# Altium PCB GameBoard_V1I1_Phase1.PcbDoc (part 8 of 18) (continued)
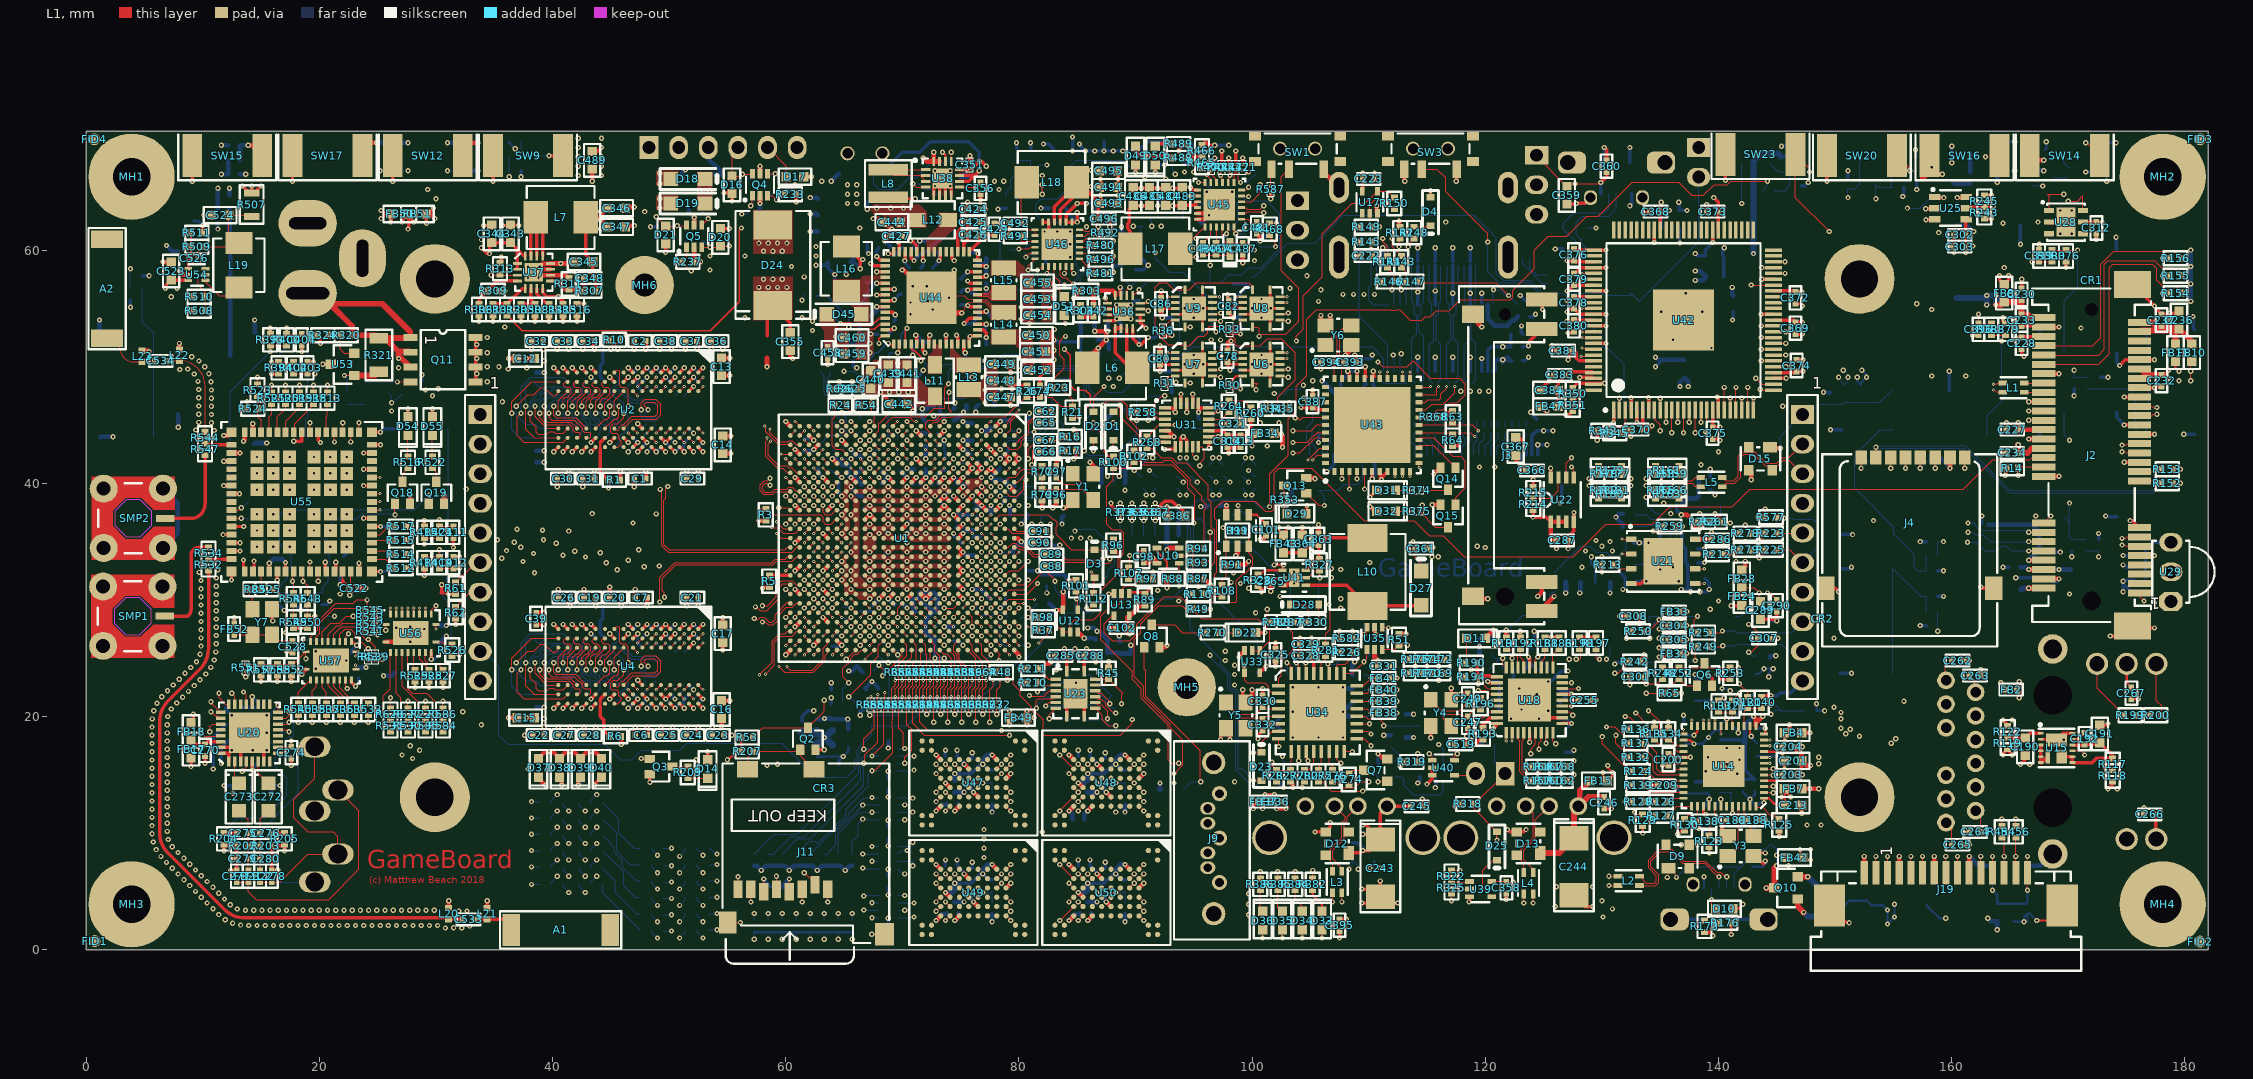
[diagram p0: L1 view]
## Nets (pads, with @x,y where several pads share a name; then routed paths per layer and width w, separated by ;. In a path a pad name is that pad's centre, name@x,y a point inside that pad or via, vN(x,y) a via of type N, cw(c..) or ccw(c..) an arc to the next point about the centre after c; other vN are vias at no path point) (continued)
BUT_L1: R404.1 R408.2 SW14.2 | length 3.8
  L1 w0.1: v1(171.5,69.2) 171.6,69.2 SW14.2@172.7,68.1
  L12 w0.1: v1(171.5,69.2) R404.1@172.3,69.2 R408.2@172.3,67.9
BUT_L2: R405.1 R411.2 SW16.2 | length 3.4
  L1 w0.1: v1(162.9,68) 164,68 SW16.2@164.1,68.1
  L12 w0.1: v1(162.9,68) R411.2@163.9,68 ; R411.2@163.9,68.1 R405.1@163.9,69.3
BUT_LD: R377.1 R381.2 SW5.3 SW5.4 | length 13
  L10 w0.1: v1(170.1,38.3) v1(170.1,43.7)
  L12 w0.1: SW5.3@169.65,37.125 SW5.3@170.1,36.675 ; SW5.4@169.65,46.075 169.65,44.15 v1(170.1,43.7) ; v1(170.1,38.3) SW5.3@170.1,36.675 ; R381.2@171.5,35.2 R377.1@170.3,35.2 170.1,35.4 SW5.3@170.1,36.675
BUT_LL: R378.1 R383.2 SW6.3 SW6.4 | length 17.7
  L12 w0.1: R383.2@171.6,48.1 175.2,48.1 175.8,47.5 175.8,44.6 176.35,44.05 SW6.3@176.35,44.225 176.9,44.775 176.9,52.45 176.35,53 SW6.4@176.35,53.175
BUT_LR: R379.1 R388.2 SW7.3 SW7.4 | length 12.5
  L1 w0.1: R388.2@163.4,52.7 R379.1@164.6,52.7 164.3,52.4 v1(164.3,52.2)
  L12 w0.1: SW7.3@163.05,44.125 163.05,45.85 164.6,47.4 164.3,47.7 v1(164.3,52.2) 164.3,52.5 163.725,53.075 SW7.4@163.05,53.075
BUT_LU: R376.1 R380.2 SW4.3 SW4.4 | length 12.7
  L1 w0.1: R380.2@168.6,60 R376.1@169.8,60 v1(170.8,60)
  L12 w0.1: SW4.3@169.65,51.125 169.65,55.65 170.8,56.8 v1(170.8,60) 169.725,60 SW4.4@169.65,60.075
BUT_R1: R406.1 R409.2 SW15.2 | length 3.6
  L1 w0.4: v1(13.9,69) 14.2,69 SW15.2@15.1,68.1
  L12 w0.4: R409.2@13.2,67.7 R406.1@13.2,69 v1(13.9,69)
BUT_R2: R407.1 R412.2 SW17.2 | length 4.3
  L1 w0.4: SW17.2@23.7,68.1 23.7,68.9 24,69.2 v1(24.9,69.2)
  L12 w0.4: v1(24.9,69.2) R407.1@25.8,69.2 R412.2@25.8,67.9
BUT_RD: R393.1 R400.2 SW10.3 SW10.4 | length 17.7
  L1 w0.1: v1(15.8,51.3) R393.1@15.8,51.8 R400.2@17.2,51.8
  L12 w0.1: SW10.4@12.35,36.95 SW10.3@12.35,45.9 12.35,47.85 v1(15.8,51.3)
BUT_RL: R394.1 R402.2 SW11.3 SW11.4 | length 15
  L1 w0.1: v1@16,50.4 R402.2@17.8,50.4
  L12 w0.1: v1(15.9,50.4) 18.4,52.9 SW11.3@19,52.9 19,45.705 18.825,45.53 18.825,44.125 SW11.4@19,43.95
BUT_RR: R395.1 R403.2 SW13.3 SW13.4 | length 13.3
  L12 w0.1: R403.2@4.8,56.8 R395.1@4.8,55.7 4.8,53.8 5.8,52.9 SW13.4@5.8,43.95
BUT_RU: R392.1 R398.2 SW8.3 SW8.4 | length 12.6
  L12 w0.4: R398.2@12.3,63.5 12.3,59.95 SW8.3@12.35,59.9 SW8.4@12.35,50.95
BUT_SEL_L1: R422.1 R424.2 SW21.3 SW21.4 | length 14.1
  L12 w0.1: SW21.4@154.95,23.725 SW21.3@154.95,32.675 157.325,30.3 R422.1@157.8,30.3 R424.2@157.8,29
BUT_SEL_L2: R423.1 R428.2 SW22.3 SW22.4 | length 18.4
  L12 w0.1: SW22.3@155.05,44.575 153.875,44.575 151.7,42.4 151.7,39.6 155.05,36.25 SW22.4@155.05,35.625 156.8,33.875 156.8,32.8 157.1,32.5 R423.1@157.8,32.5 R428.2@157.8,33.8
BUT_SEL_R1: R414.1 R419.2 SW18.3 SW18.4 | length 13.3
  L1 w0.1: R414.1@29,33.7 R419.2@30.3,33.7 v1(30.3,34.3)
  L12 w0.1: v1(30.3,34.3) 30.95,33.65 SW18.3@30.95,32.675 30.95,31.092 30.575,30.717 30.575,30.283 31.3,29.558 31.3,24.075 SW18.4@30.95,23.725
BUT_SEL_R2: R415.1 R421.2 SW19.3 SW19.4 | length 13.3
  L1 w0.1: v1(29,34.8) R415.1@29,35.3 R421.2@30.3,35.3
  L12 w0.1: v1(29,34.8) 29.925,35.725 SW19.4@30.95,35.725 31.075,35.725 31.075,44.55 SW19.3@30.95,44.675
CAN_N: C309.1 J12.8 R246.1 R251.2 U26.6 | length 8.5
  L1 w0.1: R251.2@139.2,27.2 140.2,27.2 v1(140.335,27.335)
  L12 w0.1: v1(140.335,27.335) U26.6@141.4,27.335 141.535,27.2 R246.1@143.3,27.2 C309.1@144.4,27.2 146.28,27.2 J12.8@147.2,28.12
CAN_P: C306.1 J12.9 R241.2 R249.2 U26.7 | length 8.3
  L1 w0.1: R249.2@139.2,26 140.3,26 v1(140.365,26.065)
  L12 w0.1: v1(140.365,26.065) U26.7@141.4,26.065 141.535,26.2 R241.2@143.3,26.2 C306.1@144.4,26.2 145.4,26.2 146.02,25.58 J12.9@147.2,25.58
CFF: C192.2 U15.11 | length 1.3
  L1 w0.2: U15.11@170.36,18.05 170.85,18.05 C192.2@171.4,18.6
CHARGE_C\E\: R474.1 R480.2 TP50.1 U1.R22 U45.9 | length 96.1
  L1 w0.093: U1.R22@68.4,28.1 v2(68.8,27.7) ; R480.2@87.5,60.4 87.5,60.3 88,60.8 v1(88.1,60.8) ; R474.1@97.4,66.835 97.3,66.735 v1(97.3,66.4) 97.45,66.25 U45.9@97.45,65.8
  L3 w0.093: v1(53.5,58.3) 59.3,58.3 59.6,58.6 v1(60.5,58.6) ; v1(66.35,61.9) 68,61.9 68.5,62.4 72.795,62.4 74.595,60.6 81.3,60.6 82,59.9 82.971,60.871 84.554,60.871 84.771,60.654 84.771,60.289 85.287,59.773 87.073,59.773 v1(88.1,60.8)
  L10 w0.093: v1(53.5,58.3) 56.45,55.35 57.046,55.35 59.061,53.336 59.061,53.128 63.309,48.879 63.309,48.719 63.211,48.62 63.211,44.233 63.35,44.094 63.35,43.532 63.657,43.226 63.657,42.988 64.543,42.101 64.543,41.811 65.097,41.258 66.442,41.258 66.965,40.735 67.434,40.735 67.57,40.872 68.357,40.872 68.429,40.8 68.429,35.546 68.646,35.328 68.772,35.328 69.5,34.6 69.5,31.7 70,31.2 70,29.975 69.625,29.6 69.6,29.6 69.6,29.025 68.8,28.225 v2(68.8,27.7) ; v1(60.5,58.6) 60.5,58.722 62.228,60.451 62.228,60.454 62.446,60.671 62.449,60.671 64.078,62.3 66.8,62.3 66.4,61.9 v1(66.35,61.9) ; v1(88.1,60.8) 92.5,60.8 97.3,65.6 v1(97.3,66.4)
  L12 w0.093: TP50.1@87.1,61 87.3,60.8 v1(88.1,60.8)
CHARGE_C\E\2: R480.1 U46.9 | length 1.4
  L1 w0.1: U46.9@85.2,60.25 86.35,60.25 R480.1@86.5,60.4
CHARGE_INT: R472.1 R481.2 TP48.1 U1.T25 U45.7 | length 168
  L1 w0.1: v3(66.8,24.9) U1.T25@67.6,25.7 ; v1(86,58) R481.2@86.5,58 ; U45.7@98.45,65.8 98.475,65.825 98.475,66.545 98.6,66.67 98.8,66.47 98.8,66 v1(99,65.8)
  L3 w0.1: v2(36.2,49.8) 36.87,49.8 37,49.67 35.03,47.7 32.351,47.7 31.7,47.049 31.7,35.757 32.1,35.357 32.1,35.1 32.8,34.4 34.4,34.4 35,33.8 35,33.1 35.6,32.5 35.6,22.417 35.525,22.342 35.525,19.775 38.653,16.647 39.523,16.647 39.545,16.625 43.455,16.625 43.734,16.903 48.117,16.903 49.721,15.3 55.483,15.3 56.783,16.6 60.303,16.6 63.153,19.45 63.48,19.45 65.025,20.995 65.025,24.055 65.245,24.275 65.575,24.275 v4(66.5,25.2) ; v1(47.9,63.3) 47.975,63.225 49.392,63.225 50.867,64.7 51.77,64.7 52.445,65.375 54.755,65.375 55.03,65.1 56.583,65.1 57.083,64.6 57.746,64.6 57.821,64.675 59.595,64.675 60.246,64.024 60.323,64.1 60.42,64.1 60.745,63.775 61.055,63.775 61.38,64.1 63.966,64.1 63.966,63.634 66.1,61.5 67.666,61.5 67.766,61.4 73.517,61.4 74.513,60.404 77.196,60.404 81,56.6 84.9,56.6 86,57.7 v1(86,58) 86.451,58 87.376,58.925 88.708,58.925 88.883,59.1 94.97,59.1 95.045,59.025 95.355,59.025 95.93,59.6 99.7,59.6 v1(100.2,59.1)
  L10 w0.1: v2(36.2,49.8) 36.35,49.8 36.625,50.075 36.625,50.855 36.4,51.08 36.4,53.85 45.85,63.3 v1(47.9,63.3) ; v1(99,65.8) 99,60.3 v1(100.2,59.1)
  L2 w0.1: v4(66.5,25.2) v3(66.8,24.9)
  L12 w0.1: v1(99,65.8) 99.6,65.8 TP48.1@100.4,66.6
CHARGE_INT2: R481.1 U46.7 | length 2.8
  L1 w0.1: U46.7@85.2,59.25 85.25,59.25 86,58.5 87,58.5 R481.1@87.5,58
COMP_1V375: C342.2 R303.2 U36.8 | length 3.5
  L1 w0.4: C342.2@86.4,55.3 86.4,56.4 R303.2@86.3,56.5 88.1,56.5 88.25,56.35 U36.8@88.25,56.11
COMP_3V3_HDR: C349.2 R315.2 U37.8 | length 3.4
  L1 w0.3: U37.8@39.15,56.69 39.15,56.35 39.5,56 v1(40.5,56) 40.9,55.6 R315.2@40.9,55.4
  L12 w0.3: v1(40.5,56) 40.5,55.9 C349.2@41,55.4
COMP_BYP: C322.1 C323.1 U30.2 | length 2.4
  L12 w0.093: C323.1@132.8,36.3 C322.1@133.8,36.3 133.9,36.4 U30.2@135.125,36.4
COMP_C1: C320.1 U30.15 | length 1.3
  L12 w0.1: C320.1@136.1,34.4 136.4,34.7 U30.15@136.4,35.625
COMP_CRST: C324.1 R263.2 U30.8 | length 3.3
  L12 w0.4: U30.8@136.9,38.175 136.9,38.2 137.4,38.7 138.1,38.7 138.3,38.9 R263.2@138.3,40.5
COMP_INT: R47.1 R255.2 R257.2 U1.N25 | length 106.2
  L1 w0.1: v2(68,24.4) 68.396,24.004 68.834,24.004 70,25.17 U1.N25@70,25.7
  L3 w0.1: v2(68,24.4) 67.566,24.4 66.6,23.434 66.6,21.882 67.063,21.418 68.277,21.418 69.664,22.805 75.334,22.805 75.536,22.604 77.737,22.604 79.24,21.1 81.686,21.1 82.136,21.55 82.95,21.55 83.6,20.9 85.327,20.9 87.227,22.8 89.261,22.8 89.447,22.614 89.725,22.614 92.939,19.4 95.968,19.4 97.396,20.829 97.396,22.721 97.7,23.025 v1(97.7,24.8) v1@97.7,25 ; v1(98.4,32.3) 98.575,32.3 98.612,32.262 99.05,32.7 100.751,32.7 101.426,32.025 102.175,32.025 102.475,31.725 103.395,31.725 103.445,31.775 103.755,31.775 103.83,31.7 103.996,31.7 104.071,31.775 104.425,31.775 104.9,31.3 107.975,31.3 108.875,32.2 128.535,32.2 129.57,33.235 130.465,33.235 131.4,34.17 131.4,34.23 131.055,34.575 131.025,34.575 130.7,34.9 v1(130.7,35)
  L10 w0.1: v1(97.7,24.8) 97.7,25 97.7,25.07 97.325,25.445 97.325,25.755 97.5,25.93 97.5,27.366 96.925,27.941 96.925,31.225 98,32.3 v1(98.4,32.3) ; v1(130.7,35) 131.7,34 134.375,36.675 140.925,36.675 v1(141,36.6)
  L12 w0.1: R47.1@67.6,23.8 67.6,24 v2(68,24.4) ; R255.2@140.2,38.1 R257.2@140.2,36.7 140.9,36.7 v1(141,36.6)
COMP_INT1: R257.1 U30.11 | length 1.6
  L12 w0.1: U30.11@137.675,36.9 139,36.9 R257.1@139.2,36.7
COMP_INT2: R255.1 U30.9 | length 1.6
  L12 w0.1: U30.9@137.675,37.9 139,37.9 R255.1@139.2,38.1
COMP_RST: R265.2 U30.16 U32.4 | length 5
  L12 w0.1: U32.4@132.75,33.05 133.85,33.05 R265.2@134,33.2 134.6,33.8 135.4,33.8 135.5,33.9 135.5,34.8 135.9,35.2 U30.16@135.9,35.625
COMP_SA1: R261.1 R262.1 U30.10 | length 1.8
  L1 w0.1: v1(138.4,37.4) 139.1,36.7 R261.1@139.2,36.7
  L12 w0.1: U30.10@137.675,37.4 v1(138.4,37.4)
CPU_BT_EN: R623.1 U1.B20 | length 141.3
  L1 w0.093: U1.B20@78.8,29.7 79.147,30.047 v3(81.347,30.047)
  L3 w0.093: v1(18.6,26.6) 18.1,26.1 18.1,25.1 21.6,21.6 23.9,21.6 26.429,19.071 26.429,19.046 26.746,18.728 34.344,18.728 36.622,16.45 39.441,16.45 39.463,16.428 43.537,16.428 43.559,16.45 43.75,16.45 45.3,14.9 62.7,14.9 64.4,13.2 64.4,6.339 64.929,5.811 68.811,5.811 73.4,10.4 75.956,10.4 76.628,11.071 77.32,11.071 77.991,10.4 78.4,10.4 79.458,9.342 82.314,9.342 82.571,9.6 83.4,9.6 84.193,10.393 92.4,10.393 96.407,14.4 v1(98.5,14.4)
  L3 w0.1: v4(81.647,29.747) 82.053,29.747 82.3,29.5 83.393,29.5 83.968,28.925 85.955,28.925 86.23,29.2 93.53,29.2 94.255,29.925 94.538,29.925 94.913,30.3 97.212,30.3 97.559,29.953 98.13,29.953 98.63,29.453 99.747,29.453 v1(100.3,28.9)
  L10 w0.1: v1(98.5,14.4) 98.5,15.322 98.697,15.519 98.697,17.673 101.875,20.851 101.875,22.125 100,24 100,26.934 100.3,27.234 v1(100.3,28.9)
  L2 w0.1: v3(81.347,30.047) v4(81.647,29.747)
  L12 w0.093: v1(18.6,26.6) R623.1@20.7,26.6
CPU_GPIO0: R280.2 U1.D18 | length 59
  L1 w0.093: U1.D18@77.2,31.3 v3(77.6,30.9) ; v1(104.3,13.9) 104.3,14.2 R280.2@104.5,14.4
  L3 w0.093: 78,31.3 v4(77.9,31.2) 77.972,31.272 78.554,31.272 78.697,31.129 80.803,31.129 81.546,31.872 82.7,31.872 82.893,32.065 83.336,32.065 83.678,31.722 83.678,31.654 84.036,31.296 89.931,31.296 90.428,30.8 v1(91.9,30.8)
  L10 w0.093: v1(91.9,30.8) 93.371,29.329 94.637,29.329 96.095,30.787 96.095,31.08 96.029,31.146 96.029,31.454 97.175,32.6 97.4,32.6 97.471,32.671 101.106,32.671 102.334,33.9 105.222,33.9 105.419,33.704 106.226,33.704 106.619,34.097 106.781,34.097 107.174,33.704 107.596,33.704 107.904,33.396 107.904,33.286 108.296,32.893 108.296,31.469 107.904,31.076 107.904,30.322 107.972,30.254 107.972,30.001 108.393,29.58 108.393,29.071 108,28.678 108,24.409 108.393,24.016 108.393,17.601 107.992,17.2 106.8,17.2 106.8,16.4 v1(104.3,13.9)
  L2 w0.1: v3(77.6,30.9) v4(77.9,31.2)
CPU_GPIO1: R281.2 U1.E18 | length 38.1
  L1 w0.093: U1.E18@76.4,31.3 v3(76.8,30.9)
  L1 w0.1: R281.2@106.3,26.2 106.3,27.1 106.7,27.5 106.7,29.5 v1(106.6,29.6)
  L3 w0.093: v4(77.1,31.2) 77.172,31.272 77.172,31.797 77.446,32.072 80.956,32.072 81.149,31.879 81.28,31.879 81.466,32.065 82.537,32.065 82.73,32.257 83.185,32.257 83.22,32.293 85.275,32.293 85.886,31.682 88.214,31.682 88.431,31.9 89.44,31.9 89.851,31.489 90.011,31.489 90.401,31.1 91.566,31.1 92.745,32.279 96.708,32.279 96.94,32.047 96.94,31.66 96.948,31.652 97.226,31.652 97.343,31.535 97.343,31.286 97.886,30.743 98.457,30.743 98.735,30.464 99.164,30.464 99.386,30.242 100.074,30.242 100.424,29.893 101.892,29.893 102.512,29.273 103.482,29.273 103.88,29.672 104.133,29.672 104.254,29.793 106.407,29.793 v1(106.6,29.6)
  L2 w0.1: v3(76.8,30.9) v4(77.1,31.2)
CPU_GPIO2: R282.2 U1.E23 | length 41
  L1 w0.093: U1.E23@76.4,27.3 v2(76.8,26.9)
  L1 w0.1: v1(101.2,15.2) 102,14.4 R282.2@102.1,14.4
  L3 w0.093: v2(76.8,26.9) 76.8,25.222 77.819,24.203 78.422,24.203 79.443,23.183 79.443,22.822 79.765,22.5 83.9,22.5 84.096,22.304 84.259,22.304 84.456,22.5 86.093,22.5 86.093,22.593 87.093,23.593 89.58,23.593 89.773,23.4 91.192,23.4 93.055,25.263 v1(96.388,25.263)
  L12 w0.093: v1(96.388,25.263) 96.227,25.263 97.929,23.561 97.929,22.463 98.263,22.129 98.571,22.129 98.604,22.096 98.604,15.419 100.122,13.9 101.222,15 101.2,15.022 v1(101.2,15.2)
CPU_WIFI_LS_EN: R551.1 U1.C19 | length 169
  L1 w0.093: U1.C19@78,30.5 v3(78.4,30.1)
  L1 w0.1: v1(13.7,23.4) R551.1@13.7,23.935
  L3 w0.1: v1(35.9,53.4) 37.4,53.4 37.8,53.8 37.8,54.4 38.1,54.7 54.8,54.7 55.4,55.3 60.2,55.3 61.2,56.3 61.2,57.3 v1(61.6,57.7) ; v4(78.7,29.8) 79.6,29.8 80.085,30.285 81.902,30.285 82.387,29.8 83.376,29.8 83.676,29.5 85.47,29.5 85.645,29.675 86.291,29.675 86.334,29.632 93.115,29.632 93.383,29.9 v1(93.7,29.9)
  L10 w0.1: v1(13.7,23.4) 15.7,23.4 18.525,26.225 18.755,26.225 18.83,26.3 20.6,26.3 21.475,25.425 23.79,25.425 23.917,25.553 24.045,25.425 24.355,25.425 24.575,25.645 24.575,25.955 24.447,26.083 24.575,26.21 24.575,26.755 24.475,26.855 24.475,30.375 25.375,31.275 25.625,31.275 25.625,44.53 25.4,44.755 25.4,47.2 26.52,48.32 26.85,48.32 26.93,48.4 29.45,48.4 29.475,48.375 29.475,47.845 29.255,47.625 29.225,47.625 29.2,47.6 29.2,47.3 29.5,47 30,47 30.9,47.9 30.9,48.6 31.3,49 33.7,49 34,49.3 35.3,49.3 35.825,49.825 35.825,53.325 v1(35.9,53.4) ; v1(61.6,57.7) 64.3,55 65.6,55 65.825,54.775 68.018,54.775 68.793,54 69.037,54 69.162,53.875 69.255,53.875 69.675,53.455 69.675,53.145 69.6,53.07 69.6,53 70.17,53 70.245,52.925 70.555,52.925 70.775,53.145 70.775,53.175 72.525,53.175 73.3,52.4 73.52,52.4 73.595,52.325 73.975,52.325 75.025,51.275 75.025,51.045 75.245,50.825 76.612,50.825 76.862,51.075 77.338,51.075 78.313,50.1 81.03,50.1 81.055,50.125 81.455,50.125 81.52,50.189 90.744,50.189 92.659,48.275 94.042,48.275 94.292,48.025 95.475,48.025 95.914,47.586 97.712,47.586 97.998,47.3 100.7,47.3 101.325,47.925 101.325,47.938 101.662,48.275 102.138,48.275 102.475,47.938 102.475,47.462 101.968,46.955 101.968,46.582 101.9,46.514 101.9,44.768 101.725,44.593 101.725,43.588 102.032,43.281 102.032,39.688 100.376,38.032 100.332,38.032 99.1,36.8 96.247,36.8 95.613,36.166 95.613,36.109 95.225,35.721 95.225,35.045 95.5,34.77 95.5,33.2 94.097,31.797 94.097,31.045 93.7,30.648 v1(93.7,29.9)
  L2 w0.1: v3(78.4,30.1) v4(78.7,29.8)
CPU_WL_EN: R546.1 R549.2 U1.V6 | length 86.1
  L1 w0.093: v3(65.6,41.3) U1.V6@66,40.9
  L1 w0.1: v1(17.1,27.2) 17.1,27.9 R549.2@17.8,28.6 R546.1@17.8,29.6
  L3 w0.1: v1(17.1,27.2) 17.2,27.1 18.9,27.1 20.4,25.6 20.4,23.5 22.1,21.8 24.2,21.8 26.2,19.8 31.417,19.8 31.917,19.3 v1(33.9,19.3) ; v1(52.3,16.3) 52.3,16.824 52.917,17.441 59.541,17.441 60.4,18.3 61.27,18.3 62.75,19.78 62.75,20.063 63.087,20.4 63.43,20.4 64.625,21.595 64.625,24.221 64.625,24.383 64.825,24.583 64.825,25.055 65.025,25.255 65.025,25.625 65.2,25.8 65.2,27.297 65.032,27.465 65.032,27.468 64.8,27.7 64.8,29.361 64.6,29.561 64.6,30.35 65.175,30.925 65.175,33.455 65.1,33.53 65.1,34.2 66,35.1 66,36 65.6,36.4 64.8,36.4 64.4,36.8 64.4,39.2 65.225,40.025 65.225,40.925 v4(65.3,41)
  L10 w0.1: v1(33.9,19.3) 33.9,18.2 33.7,18 34.639,17.061 35.4,17.061 36.461,16 43.485,16 45.199,14.286 46.226,14.286 47.326,13.186 50.665,13.186 52.3,14.821 v1(52.3,16.3)
  L2 w0.1: v4(65.3,41) v3(65.6,41.3)
CPU_XTALI: C96.1 R77.1 R79.1 U1.A7 Y1.3 | length 8.7
  L1 w0.1: U1.A7@79.6,40.1 79.9,40.1 80.225,40.425 80.225,40.455 80.67,40.9 81.6,40.9 R77.1@82,40.5 R79.1@82,39.5 C96.1@83.2,39.5 85.45,39.5 Y1.3@86.375,38.575
CPU_XTALO: C97.1 R77.2 U1.B7 Y1.1 | length 8.9
  L1 w0.1: U1.B7@78.8,40.1 79.2,40.5 79.695,40.5 79.95,40.755 79.95,40.85 80.115,41.015 80.118,41.015 80.285,41.182 80.285,41.185 81.685,41.185 R77.2@82,41.5 82.2,41.5 C97.1@83.2,40.5 83.8,39.9 85.2,39.9 85.3,40 85.3,40.15 Y1.1@84.625,40.825
CSI_CLK0_N: R453.1 U1.F4 | length 29.5
  L1 w0.1: U1.F4@75.6,42.5 v3(76,42.1)
  L3 w0.1: v4(76.3,42.4) 76.3,42.797 76.585,43.082 76.585,43.202 76.815,43.432 76.815,43.518 77.222,43.925 77.866,43.925 80.575,43.925 81.5,43 81.617,43 83.617,41 84.9,41 86.441,39.459 87.959,39.459 88.459,39.959 89.355,39.959 89.613,39.7 92.3,39.7 93.6,38.4 93.766,38.4 97.57,38.4 97.87,38.7 98.73,38.7 98.955,38.475 99.45,38.475 v1(99.975,39)
  L2 w0.1: v3(76,42.1) v4(76.3,42.4)
  L12 w0.1: v1(99.975,39) 99.975,39.275 R453.1@100.3,39.6
CSI_CLK0_P: R457.1 U1.F3 | length 28.3
  L1 w0.1: U1.F3@75.6,43.3 v3(76,42.9)
  L3 w0.1: v4(76.3,43.2) 76.3,43.286 77.139,44.125 77.784,44.125 ; 77.804,44.145 77.824,44.125 80.658,44.125 81.583,43.2 81.7,43.2 83.7,41.2 84.983,41.2 85.1,41.083 86.524,39.659 87.876,39.659 88.376,40.159 89.437,40.159 89.696,39.9 92.383,39.9 93.683,38.6 97.487,38.6 97.787,38.9 98.813,38.9 99.038,38.675 99.1,38.675 v1(99.425,39)
  L2 w0.1: v3(76,42.9) v4(76.3,43.2)
  L12 w0.1: R457.1@99.1,39.6 99.425,39.275 v1(99.425,39)
CSI_CLK0_R_N: J19.8 R453.2 R455.2 | length 114.7
  L1 w0.1: J19.8@159.5,6.6 v1(159.5,8)
  L3 w0.1: v1(99.7,41.1) 100.1,40.7 100.1,40.6 100.334,40.366 100.834,40.366 101.2,40 107.9,40 108.3,40.4 108.3,41.1 109.4,42.2 109.8,42.2 115.1,42.2 120.8,36.5 128.451,36.5 128.551,36.6 132.7,36.6 133.659,35.641 133.717,35.7 133.883,35.7 134.108,35.475 134.658,35.475 134.775,35.358 134.775,34.538 134.775,34.125 134.96,33.94 139.277,33.94 141.2,32.017 151.383,32.017 156.6,26.8 164.683,26.8 165.083,26.4 165.083,20.9 171.4,14.583 171.4,13.734 171.9,13.234 171.9,7.117 170.9,6.117 169.283,4.5 161.517,4.5 159.9,6.117 159.9,7.6 v1(159.5,8)
  L12 w0.1: v1(99.7,41.1) 100.2,40.6 R453.2@100.3,40.6
CSI_CLK0_R_P: J19.9 R457.2 R460.2 | length 113.2
  L1 w0.1: J19.9@160.5,6.6 v1(160.5,8)
  L3 w0.1: v1(99.7,40.1) 99.8,40.2 100.217,40.2 100.251,40.166 100.751,40.166 101.117,39.8 107.983,39.8 108.5,40.317 108.5,41.017 109.483,42 115.017,42 120.717,36.3 128.534,36.3 128.634,36.4 132.617,36.4 133.6,35.417 133.883,35.417 134.025,35.275 134.155,35.275 134.575,34.855 134.575,34.455 134.575,34.145 134.524,34.093 134.677,33.94 134.877,33.74 139.194,33.74 141.117,31.817 151.3,31.817 156.517,26.6 164.6,26.6 164.883,26.317 164.883,20.817 171.2,14.5 171.2,13.651 171.7,13.151 171.7,7.2 169.2,4.7 161.6,4.7 160.1,6.2 160.1,7.6 v1(160.5,8)
  L12 w0.1: R457.2@99.1,40.6 99.2,40.6 v1(99.7,40.1)
CSI_D0_N: R443.1 U1.E4 | length 18.2
  L1 w0.1: U1.E4@76.4,42.5 v3(76.8,42.9)
  L3 w0.1: v4(77.1,42.6) 77.225,42.725 77.225,43.055 77.445,43.275 78.225,43.275 ; 78.225,43.282 78.633,43.282 79.415,42.5 80.917,42.5 80.942,42.475 80.955,42.475 81.175,42.255 81.175,42.242 83.017,40.4 84.6,40.4 86.3,38.7 89.683,38.7 89.941,38.959 90.158,39.175 90.75,39.175 v1(90.925,39)
  L2 w0.1: v3(76.8,42.9) v4(77.1,42.6)
  L12 w0.1: R443.1@90.6,39.6 90.925,39.275 v1(90.925,39)
CSI_D0_P: R445.1 U1.E3 | length 18.4
  L1 w0.1: U1.E3@76.4,43.3 v3(76.8,43.7)
  L3 w0.1: v4(77.1,43.4) 77.175,43.475 78.136,43.475 78.143,43.482 78.308,43.482 78.716,43.482 79.497,42.7 81,42.7 81.025,42.675 81.038,42.675 81.375,42.338 81.375,42.325 83.1,40.6 84.683,40.6 86.383,38.9 89.6,38.9 90.059,39.359 90.075,39.375 91.08,39.375 91.097,39.359 91.116,39.359 v1(91.475,39)
  L2 w0.1: v3(76.8,43.7) v4(77.1,43.4)
  L12 w0.1: v1(91.475,39) 91.475,39.275 R445.1@91.8,39.6
CSI_D0_R_N: J19.2 R443.2 R444.2 | length 146.9
  L1 w0.1: J19.2@153.5,6.6 v1(153.5,8)
  L3 w0.1: v1(89.9,41.1) 90.67,41.1 91.045,41.475 91.355,41.475 91.53,41.3 93.583,41.3 93.783,41.1 95.817,41.1 96.417,41.7 98,41.7 99.1,42.8 100.2,42.8 100.561,42.439 101.061,42.439 101.9,41.6 106.617,41.6 106.617,41.617 108.6,43.6 116.1,43.6 121.6,38.1 126.07,38.1 126.245,37.925 126.555,37.925 126.73,38.1 129.583,38.1 129.683,38.2 132.714,38.2 132.814,38.1 133.949,38.1 134.239,37.811 134.372,37.811 134.383,37.8 135.283,36.9 137.217,36.9 137.417,37.1 139.1,37.1 139.683,36.517 140.229,35.971 ; 140.259,35.941 141.7,34.5 142.3,34.5 143.817,34.5 146.417,37.1 151.4,37.1 158.8,29.7 168.266,29.7 170.7,27.266 170.7,27.1 170.7,23.2 171.6,22.3 171.6,19.2 171.683,19.2 173.383,17.5 174.083,17.5 174.9,16.683 174.9,10.584 174.55,10.584 173.905,9.938 173.905,9.025 174.55,8.379 174.9,8.379 174.9,5.117 173.6,3.817 171.583,1.8 164.717,1.8 164.317,2.2 163.6,2.2 163.2,1.8 158.217,1.8 153.9,6.117 153.9,7.6 v1(153.5,8)
  L12 w0.1: v1(89.9,41.1) 90.4,40.6 R443.2@90.6,40.6
CSI_D0_R_P: J19.3 R445.2 R446.2 | length 144.2
  L1 w0.1: J19.3@154.5,6.6 v1(154.5,8)
  L3 w0.1: v1(91.2,41.1) 93.5,41.1 93.7,40.9 95.9,40.9 96.5,41.5 98.083,41.5 99.183,42.6 100.117,42.6 100.478,42.239 100.978,42.239 101.817,41.4 106.7,41.4 106.817,41.517 106.817,41.534 108.683,43.4 116.017,43.4 121.517,37.9 125.987,37.9 126.162,37.725 126.638,37.725 126.813,37.9 129.666,37.9 129.766,38 132.631,38 132.731,37.9 133.866,37.9 134.156,37.611 134.29,37.611 135.2,36.7 137.3,36.7 137.5,36.9 139.017,36.9 140.217,35.7 141.617,34.3 142.217,34.3 143.9,34.3 146.5,36.9 151.317,36.9 158.717,29.5 168.183,29.5 170.5,27.183 170.5,23.117 171.4,22.217 171.4,19.117 171.517,19 171.6,19 173.3,17.3 174,17.3 174.7,16.6 174.7,10.784 174.467,10.784 173.705,10.021 173.705,8.942 174.467,8.179 174.7,8.179 174.7,5.2 171.5,2 164.8,2 164.4,2.4 163.517,2.4 163.117,2 158.3,2 154.1,6.2 154.1,7.6 v1(154.5,8)
  L12 w0.1: v1(91.2,41.1) 91.7,40.6 R445.2@91.9,40.6
CSI_D1_N: R447.1 U1.D1 | length 22.5
  L1 w0.1: U1.D1@77.2,44.9 v3(77.6,45.3)
  L3 w0.1: v4(77.3,45.6) 77.6,45.6 77.9,45.9 78.783,45.9 79.683,45 79.687,45 79.762,45.075 80.238,45.075 80.513,44.8 80.887,44.8 81.062,44.975 81.538,44.975 81.875,44.638 81.875,44.625 82.4,44.1 82.483,44.1 83.783,42.8 84.9,42.8 85.3,42.4 85.3,42.2 85.5,42 85.5,41.5 85.8,41.2 88.983,41.2 89.483,40.7 92.783,40.7 94.025,39.458 94.025,39.375 94.375,39.025 v1(94.375,39)
  L2 w0.1: v4(77.3,45.6) v3(77.6,45.3)
  L12 w0.1: v1(94.375,39) 94.375,39.275 R447.1@94.7,39.6
CSI_D1_P: R449.1 U1.D2 | length 22.4
  L1 w0.1: U1.D2@77.2,44.1 v3(77.6,44.5)
  L3 w0.1: v4(77.3,44.8) 77.783,45.283 77.783,45.5 77.983,45.7 78.7,45.7 79.6,44.8 79.77,44.8 79.845,44.875 80.155,44.875 80.43,44.6 80.97,44.6 81.145,44.775 81.455,44.775 81.675,44.555 81.675,44.542 82.317,43.9 82.4,43.9 83.7,42.6 84.817,42.6 85.1,42.317 85.1,42.117 85.3,41.917 85.3,41.417 85.717,41 88.9,41 89.4,40.5 92.7,40.5 93.825,39.375 v1(93.825,39)
  L2 w0.1: v4(77.3,44.8) v3(77.6,44.5)
  L12 w0.1: R449.1@93.5,39.6 93.825,39.275 v1(93.825,39)
CSI_D1_R_N: J19.5 R447.2 R448.2 | length 129.5
  L1 w0.1: J19.5@156.5,6.6 v1(156.5,8)
  L3 w0.1: v1(95.3,40.1) 95.8,40.1 96.3,40.6 96.317,40.6 96.392,40.675 96.559,40.841 98.359,40.841 98.441,40.924 99.217,41.7 100.213,41.7 100.475,41.438 100.475,41.155 100.5,41.13 100.5,41.1 100.8,40.8 104.987,40.8 105.162,40.975 105.638,40.975 106.013,40.6 107,40.6 109.3,42.9 115.6,42.9 121.1,37.4 123.587,37.4 123.862,37.675 124.338,37.675 124.613,37.4 127.225,37.4 127.225,37.345 127.445,37.125 127.755,37.125 127.975,37.345 127.975,37.4 129.449,37.4 129.849,37.8 132.549,37.8 132.949,37.4 133.883,37.4 135.483,35.8 137.483,35.8 137.683,35.6 138.5,35.6 141.455,32.645 144.262,32.645 145.967,34.35 151.25,34.35 156.3,29.3 157.783,29.3 158.883,28.2 165.583,28.2 166.4,27.383 166.4,20.149 169.049,17.5 169.983,17.5 171.8,15.683 171.8,14.4 172.8,13.4 172.8,5.717 172.3,5.217 170.183,3.1 160.017,3.1 156.9,6.217 156.9,7.7 156.6,8 v1(156.5,8)
  L12 w0.1: R447.2@94.7,40.6 94.8,40.6 v1(95.3,40.1)
CSI_D1_R_P: J19.6 R449.2 R450.2 | length 130.1
  L1 w0.1: J19.6@157.5,6.6 v1(157.5,8)
  L3 w0.1: v1(94.1,40.1) 94.6,39.6 95.6,39.6 96.641,40.641 98.441,40.641 99.3,41.5 100.13,41.5 100.275,41.355 100.275,41.042 100.717,40.6 105.07,40.6 105.245,40.775 105.555,40.775 105.93,40.4 107.083,40.4 109.383,42.7 115.517,42.7 121.017,37.2 123.725,37.2 123.725,37.255 123.945,37.475 124.255,37.475 124.475,37.255 124.475,37.2 127.087,37.2 127.362,36.925 127.838,36.925 128.113,37.2 129.531,37.2 129.931,37.6 132.466,37.6 132.866,37.2 133.8,37.2 135.4,35.6 137.4,35.6 137.6,35.4 138.417,35.4 141.372,32.445 144.345,32.445 144.4,32.5 146.05,34.15 151.167,34.15 156.217,29.1 157.7,29.1 158.8,28 165.5,28 166.2,27.3 166.2,20.066 168.966,17.3 169.9,17.3 171.6,15.6 171.6,14.317 172.6,13.317 172.6,5.8 170.1,3.3 160.1,3.3 157.1,6.3 157.1,7.7 157.4,8 v1(157.5,8)
  L12 w0.1: R449.2@93.5,40.6 93.6,40.6 v1(94.1,40.1)
CSI_GPIO0: R461.1 U1.A15 | length 21.5
  L1 w0.1: U1.A15@79.6,33.7 v3(80,34.1)
  L3 w0.1: v4(80.3,34.4) 80.375,34.325 83.775,34.325 84.6,35.15 84.5,35.25 v2(84.5,35.3)
  L10 w0.1: v2(84.5,35.3) 84.5,35.43 84.595,35.525 84.955,35.525 85.175,35.745 85.175,36.105 86.87,37.8 92.1,37.8 92.325,38.025 92.325,38.155 92.77,38.6 95.695,38.6 96.47,39.375 96.8,39.375 v1(97.175,39)
  L2 w0.1: v3(80,34.1) v4(80.3,34.4)
  L12 w0.1: v1(97.175,39) 97.175,39.275 R461.1@97.5,39.6
CSI_GPIO1: R463.1 U1.B15 | length 21.6
  L1 w0.1: U1.B15@78.8,33.7 v3(79.2,34.1)
  L3 w0.1: v4(79.5,34.4) 79.8,34.1 83.833,34.1 84.533,34.8 85.1,34.8 85.3,35 v2(85.3,35.3)
  L10 w0.1: v2(85.3,35.3) 85.3,35.43 87.47,37.6 95.83,37.6 96.075,37.845 96.075,37.875 96.625,38.425 v1(96.625,39)
  L2 w0.1: v3(79.2,34.1) v4(79.5,34.4)
  L12 w0.1: R463.1@96.3,39.6 96.625,39.275 v1(96.625,39)
CSI_REXT: R499.2 U1.D4 | length 1.2
  L1 w0.093: U1.D4@77.2,42.5 v1(77.6,42.1)
  L12 w0.093: R499.2@77.065,41.9 77.265,42.1 v1@77.6,42.1
CSPI1_CLK: J14.3 R42.2 | length 86.8
  L10 w0.093: J14.3@33.8,40.82 32.98,40 32.5,40 32.1,39.6 32.1,36.724 30.725,35.349 30.725,33.174 31.143,32.756 31.143,31.068 30.728,30.654 30.728,30.346 30.254,29.871 29.846,29.871 29.629,29.654 29.629,29.246 29.4,29.018 29.4,28.171 29.757,27.814 29.757,27.186 29.4,26.829 29.4,25.984 28.326,24.91 28.232,24.91 26.699,23.377 26.478,23.377 25.038,21.936 25.038,20.279 26.831,18.486 30.66,18.486 35.846,13.3 39.875,13.3 40.246,12.929 40.271,12.929 40.4,12.8 45.295,12.8 47.195,10.9 50.5,10.9 51.5,11.9 52,11.9 54.46,14.36 57.941,14.36 58.05,14.469 59.58,14.469 61.898,16.786 62.186,16.786 62.736,17.335 62.736,17.384 63.066,17.715 63.115,17.715 63.228,17.828 63.479,17.828 64.222,18.571 64.526,18.571 65.158,19.203 65.562,19.203 65.762,19.403 66.503,19.403 v1(67.2,20.1)
  L12 w0.093: v1(67.2,20.1) 69.465,20.1 71.061,21.696 74.797,21.696 R42.2@77,23.9
CSPI1_CLK_R: R42.1 U1.C25 | length 2.3
  L1 w0.093: U1.C25@78,25.7 78.4,25.3 78.3,25.2 v1(78.3,24.8)
  L12 w0.093: R42.1@78,23.7 R42.1@78.1,23.8 ; R42.1@78,23.9 78.3,24.2 v1(78.3,24.8)
CSPI1_CS0: J14.4 U1.U20 | length 77.8
  L1 w0.093: U1.U20@66.8,29.7 v3(67.2,29.3)
  L3 w0.1: v2(67.2,26.9) 66.825,27.275 66.825,27.855 67.045,28.075 67.375,28.075 67.6,28.3 67.6,28.9 v4(67.5,29)
  L10 w0.1: J14.4@33.8,38.28 33.8,37.33 31.125,34.655 31.125,34.345 31.54,33.93 31.54,30.904 31.524,30.889 31.675,30.738 31.675,30.428 32,30.103 32,28.13 32.075,28.055 32.075,27.745 31.855,27.525 31.502,27.525 31.5,27.523 31.5,27.017 31.44,26.958 31.44,25.858 31.279,25.696 31.279,25.123 29.424,23.268 27.882,23.268 27.794,23.18 27.063,23.18 25.725,21.842 25.725,20.458 26.183,20 29.666,20 29.756,20.089 30.293,20.089 30.3,20.082 31.014,20.082 31.631,20.7 31.687,20.7 32.062,21.075 32.538,21.075 32.913,20.7 33.783,20.7 34.903,19.58 34.903,19.342 36.145,18.1 36.589,18.1 36.872,17.817 37.1,17.817 37.517,17.4 43.451,17.4 44.051,16.8 47.187,16.8 47.955,17.568 54.873,17.568 55.002,17.439 55.956,17.439 56.417,17.9 58.849,17.9 62.039,21.089 62.39,21.089 62.5,21.2 62.5,21.483 63.021,22.004 64.364,22.004 64.975,22.614 64.975,23.283 65.089,23.398 65.162,23.325 66.008,23.325 66.6,23.917 66.6,24.538 66.4,24.738 66.4,25.3 66.625,25.525 66.638,25.525 67.2,26.087 v2(67.2,26.9)
  L2 w0.1: v3(67.2,29.3) v4(67.5,29)